# KiCad board Output-mixer.kicad_pcb
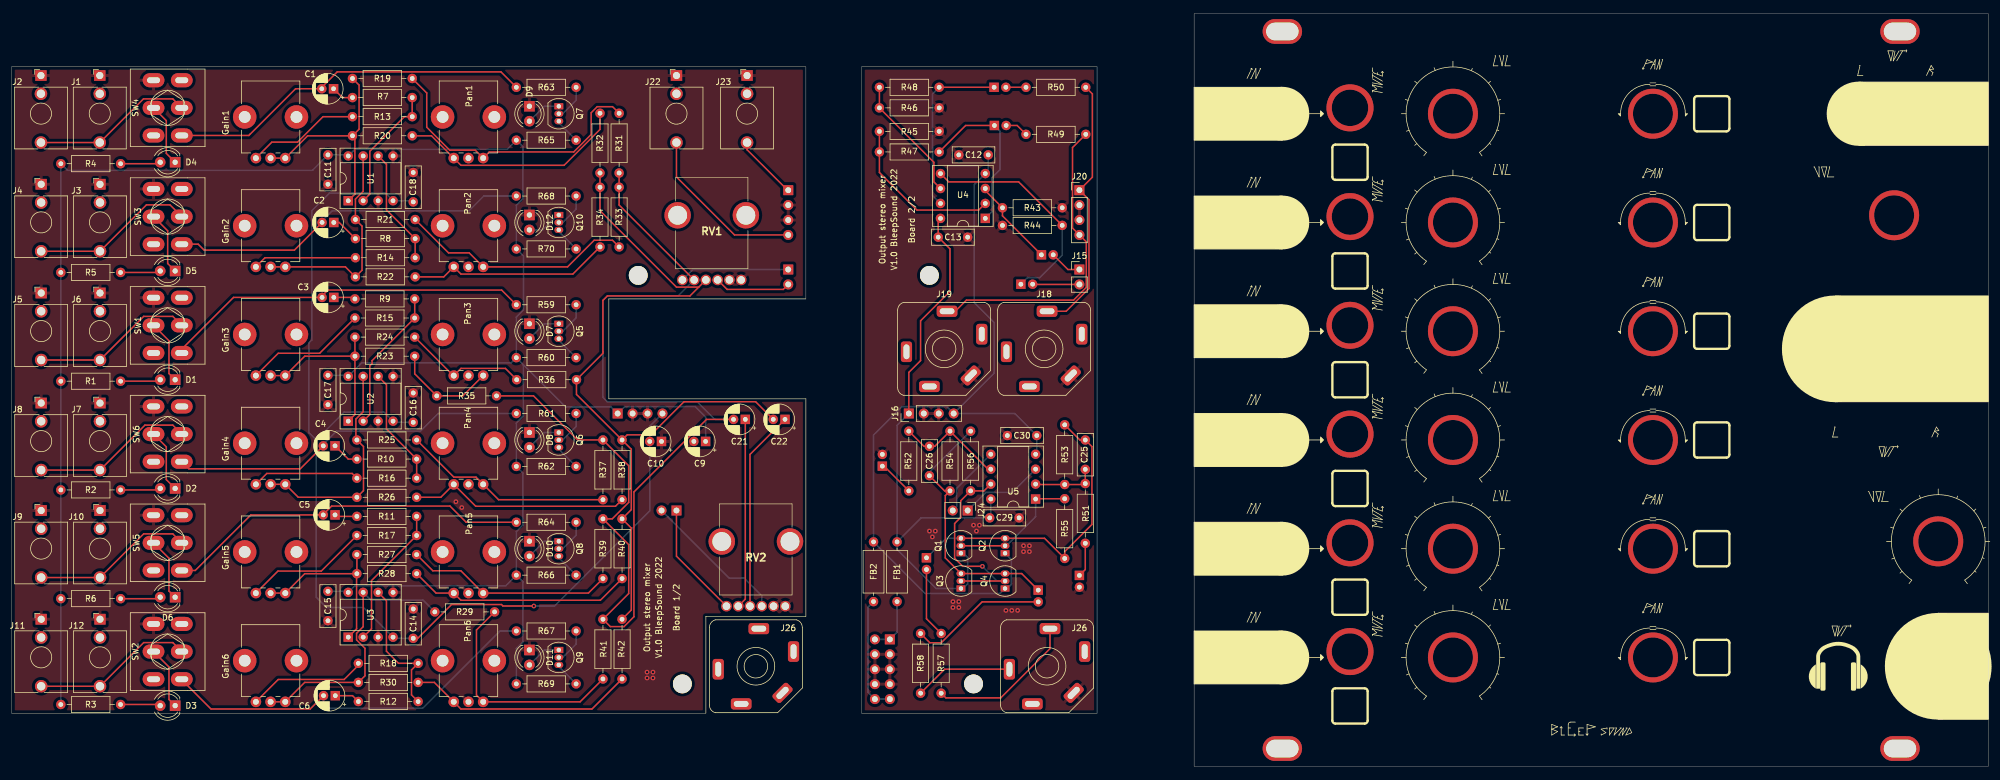
[diagram p0: board, top side]
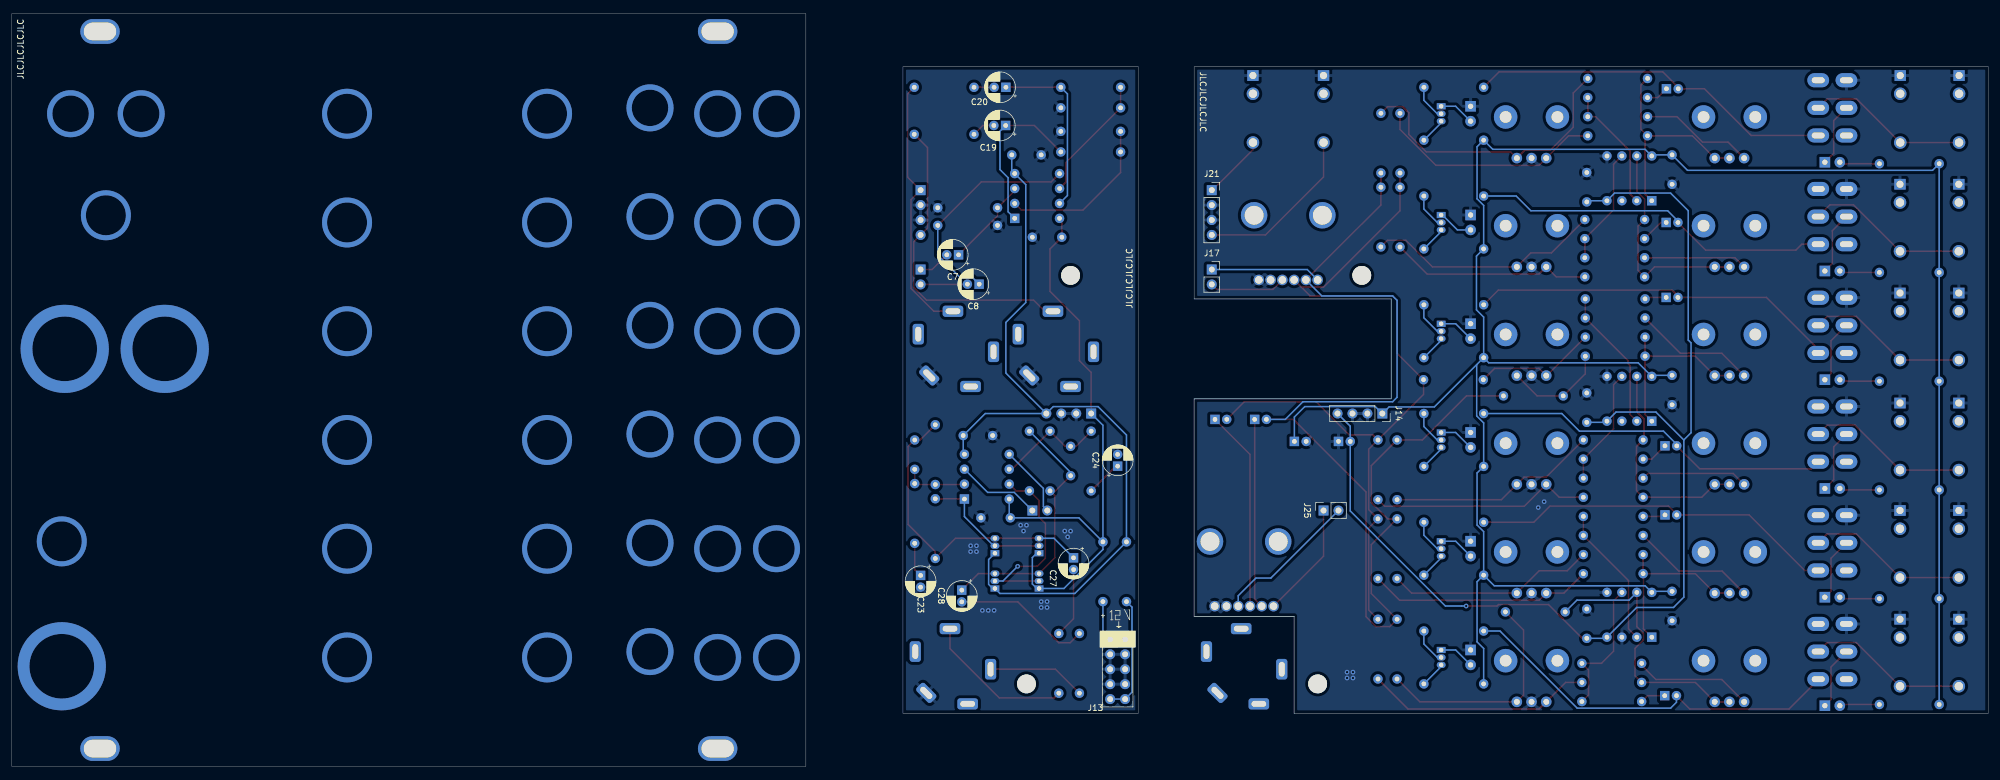
[diagram p1: board, bottom side, seen from below]

Outline 336 x 128 mm; copper layers: Top, Bottom. Coordinates in mm from the lower left corner of the outline.
Outline path: 0,119 0,9 118,9 118,25.5 135,25.5 135,62.5 101.5,62.5 101.5,79.5 135,79.5 135,119 0,119 ; 144.5,119 144.5,9 184.5,9 184.5,119 144.5,119 ; 201,128 201,0 336,0 336,128 201,128
Stack: Top 0.035mm / dielectric 1.51mm FR4 er 4.5 / Bottom 0.035mm

## Placement (name value [footprint] x y rotation side)
C1  .1µF  [CP_Radial_D5.0mm_P2.00mm]  54.71 115.25 180 top
C2  .1µF  [CP_Radial_D5.0mm_P2.00mm]  54.75 92.5 180 top
C3  .1µF  [CP_Radial_D5.0mm_P2.00mm]  54.75 79.75 180 top
C4  .1µF  [CP_Radial_D5.0mm_P2.00mm]  54.96 54.5 180 top
C5  .1µF  [CP_Radial_D5.0mm_P2.00mm]  54.96 42.75 180 top
C6  .1µF  [CP_Radial_D5.0mm_P2.00mm]  55 12 180 top
C7  10µF  [CP_Radial_D5.0mm_P2.00mm]  175.04 87 0 bottom
C8  10µF  [CP_Radial_D5.0mm_P2.00mm]  171.54 82 0 bottom
C9  10µ  [CP_Radial_D5.0mm_P2.00mm]  117.96 55.25 180 top
C10  10µ  [CP_Radial_D5.0mm_P2.00mm]  110.46 55.25 180 top
C11  100nF  [C_Disc_D7.0mm_W2.5mm_P5.00mm]  53.75 104 270 top
C12  100nF  [C_Disc_D7.0mm_W2.5mm_P5.00mm]  161 104 0 top
C13  100nF  [C_Disc_D7.0mm_W2.5mm_P5.00mm]  157.5 90 0 top
C14  100nF  [C_Disc_D7.0mm_W2.5mm_P5.00mm]  68.25 26.75 270 top
C15  100nF  [C_Disc_D7.0mm_W2.5mm_P5.00mm]  53.75 29.75 270 top
C16  100nF  [C_Disc_D7.0mm_W2.5mm_P5.00mm]  68.25 63.5 270 top
C17  100nF  [C_Disc_D7.0mm_W2.5mm_P5.00mm]  53.75 66.5 270 top
C18  100nF  [C_Disc_D7.0mm_W2.5mm_P5.00mm]  68.25 101 270 top
C19  10µF  [CP_Radial_D5.0mm_P2.00mm]  167.04 109 0 bottom
C20  10µF  [CP_Radial_D5.0mm_P2.00mm]  167 115.5 0 bottom
C21  1µF  [CP_Radial_D5.0mm_P2.00mm]  124.71 59 180 top
C22  1µF  [CP_Radial_D5.0mm_P2.00mm]  131.46 59 180 top
C23  10µF  [CP_Radial_D5.0mm_P2.00mm]  181.5 32.46 270 bottom
C24  10µF  [CP_Radial_D5.0mm_P2.00mm]  148 51.04 90 bottom
C25  470pF  [C_Disc_D7.0mm_W2.5mm_P5.00mm]  182.5 50.5 90 top
C26  470pF  [C_Disc_D7.0mm_W2.5mm_P5.00mm]  156 54.42 270 top
C27  10µF  [CP_Radial_D5.0mm_P2.00mm]  155.5 35.46 270 bottom
C28  10µF  [CP_Radial_D5.0mm_P2.00mm]  174.5 29.96 270 bottom
C29  100nF  [C_Disc_D7.0mm_W2.5mm_P5.00mm]  166.25 42.25 0 top
C30  100nF  [C_Disc_D7.0mm_W2.5mm_P5.00mm]  174.25 56.25 180 top
D1  LED-mute  [LED_D4.0mm]  27.77 65.75 180 top
D2  LED-mute  [LED_D4.0mm]  27.77 47.25 180 top
D3  LED-mute  [LED_D4.0mm]  27.77 10.3 180 top
D4  LED-mute  [LED_D4.0mm]  27.77 102.75 180 top
D5  LED-mute  [LED_D4.0mm]  27.77 84.25 180 top
D6  LED-mute  [LED_D4.0mm]  27.77 28.75 180 top
D7  Signal  [LED_D4.0mm]  88 75.28 270 top
D8  Signal  [LED_D4.0mm]  88 56.78 270 top
D9  Signal  [LED_D4.0mm]  88 112.27 270 top
D10  Signal  [LED_D4.0mm]  88 38.28 270 top
D11  Signal  [LED_D4.0mm]  88 19.78 270 top
D12  Signal  [LED_D4.0mm]  88 93.78 270 top
FB1  10R  [L_Axial_L7.0mm_D3.3mm_P10.16mm_Horizontal_Fastron_MICC]  150.5 38.16 270 top
FB2  10R  [L_Axial_L7.0mm_D3.3mm_P10.16mm_Horizontal_Fastron_MICC]  146.5 38.16 270 top
G***  -  [LOGO]  310.5 17 0 top
Gain1  500k  [Pot-bourns-alpha]  46.5 103.45 90 top
Gain2  500k  [Pot-bourns-alpha]  46.5 84.95 90 top
Gain3  500k  [Pot-bourns-alpha]  46.5 66.45 90 top
Gain4  500k  [Pot-bourns-alpha]  46.5 47.95 90 top
Gain5  500k  [Pot-bourns-alpha]  46.5 29.45 90 top
Gain6  500k  [Pot-bourns-alpha]  46.5 10.95 90 top
H1  MountingHole  [Doepfer Mounting hole]  216 3 0 top
H2  MountingHole  [Doepfer Mounting hole]  321 125 0 top
H3  MountingHole  [Doepfer Mounting hole]  216 125 0 top
H4  MountingHole  [Doepfer Mounting hole]  321 3 0 top
H5  SpacerHoles  [MountingHole_3.2mm_M3]  114 14 0 top
H6  SpacerHoles  [MountingHole_3.2mm_M3]  163.5 14 0 top
H7  SpacerHoles  [MountingHole_3.2mm_M3]  106.5 83.5 0 top
H8  SpacerHoles  [MountingHole_3.2mm_M3]  156 83.5 0 top
J1  In  [Thonkiconn]  14.96 117.5 0 top
J2  In  [Thonkiconn]  4.96 117.5 0 top
J3  In  [Thonkiconn]  15 99 0 top
J4  In  [Thonkiconn]  5 99 0 top
J5  In  [Thonkiconn]  5 80.5 0 top
J6  In  [Thonkiconn]  15 80.5 0 top
J7  In  [Thonkiconn]  15 61.78 0 top
J8  In  [Thonkiconn]  5 61.78 0 top
J9  In  [Thonkiconn]  5 43.5 0 top
J10  In  [Thonkiconn]  15 43.5 0 top
J11  In  [Thonkiconn]  5 25 0 top
J12  In  [Thonkiconn]  15 25 0 top
J13  Power Input  [PinHeader_2x05_P2.54mm_Vertical]  149.28 21.57 180 bottom
J14  Conn_01x04_Female  [PinSocket_1x04_P2.54mm_Vertical]  103 60 270 bottom
J15  Conn_01x02_Male  [PinHeader_1x02_P2.54mm_Vertical]  181.5 84.5 0 top
J16  Conn_01x04_Male  [PinHeader_1x04_P2.54mm_Vertical]  152.5 60 90 top
J17  Conn_01x02_Female  [PinSocket_1x02_P2.54mm_Vertical]  132 84.5 180 bottom
J18  OutR  [PJ-629HAN]  175.5 71 0 top
J19  OutL  [PJ-629HAN]  158.5 71 0 top
J20  Jack 3.5 Out  [PinHeader_1x04_P2.54mm_Vertical]  181.5 98 0 top
J21  Jack 3.5 Out  [PinSocket_1x04_P2.54mm_Vertical]  132 98 180 bottom
J22  OutL  [Thonkiconn]  113 117.5 0 top
J23  OutR  [Thonkiconn]  125 117.5 0 top
J24  Conn_01x02_Male  [PinHeader_1x02_P2.54mm_Vertical]  162.5 43.5 270 top
J25  Conn_01x02_Female  [PinSocket_1x02_P2.54mm_Vertical]  113 43.5 90 bottom
J26  OutHeadStereo  [PJ-629HAN]  126.5 17 0 top
J26#2  OutHeadStereo  [PJ-629HAN]  176 17 0 top
Pan1  50k  [Pot-bourns-alpha]  80.14 103.45 90 top
Pan2  50k  [Pot-bourns-alpha]  80.14 84.95 90 top
Pan3  50k  [Pot-bourns-alpha]  80.14 66.45 90 top
Pan4  50k  [Pot-bourns-alpha]  80.14 47.95 90 top
Pan5  50k  [Pot-bourns-alpha]  80.14 29.45 90 top
Pan6  50k  [Pot-bourns-alpha]  80.14 10.95 90 top
Q1  BC548  [TO-92_Inline]  161.36 36.23 90 top
Q2  BC558  [TO-92_Inline]  168.86 36.23 90 top
Q3  BC548  [TO-92_Inline]  161.36 30.23 90 top
Q4  BC558  [TO-92_Inline]  168.86 30.23 90 top
Q5  2N3904  [TO-92_Inline]  93 75.27 270 top
Q6  2N3904  [TO-92_Inline]  93 56.77 270 top
Q7  2N3904  [TO-92_Inline]  93 112.27 270 top
Q8  2N3904  [TO-92_Inline]  93 38.27 270 top
Q9  2N3904  [TO-92_Inline]  93 19.77 270 top
Q10  2N3904  [TO-92_Inline]  93 93.77 270 top
R1  2.2k  [R_Axial_DIN0207_L6.3mm_D2.5mm_P10.16mm_Horizontal]  8.34 65.5 0 top
R2  2.2k  [R_Axial_DIN0207_L6.3mm_D2.5mm_P10.16mm_Horizontal]  8.34 47 0 top
R3  2.2k  [R_Axial_DIN0207_L6.3mm_D2.5mm_P10.16mm_Horizontal]  8.34 10.5 0 top
R4  2.2k  [R_Axial_DIN0207_L6.3mm_D2.5mm_P10.16mm_Horizontal]  8.34 102.5 0 top
R5  2.2k  [R_Axial_DIN0207_L6.3mm_D2.5mm_P10.16mm_Horizontal]  8.34 84 0 top
R6  2.2k  [R_Axial_DIN0207_L6.3mm_D2.5mm_P10.16mm_Horizontal]  8.34 28.5 0 top
R7  100k  [R_Axial_DIN0207_L6.3mm_D2.5mm_P10.16mm_Horizontal]  68.08 113.75 180 top
R8  100k  [R_Axial_DIN0207_L6.3mm_D2.5mm_P10.16mm_Horizontal]  68.58 89.75 180 top
R9  100k  [R_Axial_DIN0207_L6.3mm_D2.5mm_P10.16mm_Horizontal]  68.5 79.5 180 top
R10  100k  [R_Axial_DIN0207_L6.3mm_D2.5mm_P10.16mm_Horizontal]  68.83 52.25 180 top
R11  100k  [R_Axial_DIN0207_L6.3mm_D2.5mm_P10.16mm_Horizontal]  68.83 42.5 180 top
R12  100k  [R_Axial_DIN0207_L6.3mm_D2.5mm_P10.16mm_Horizontal]  69.08 11 180 top
R13  10k  [R_Axial_DIN0207_L6.3mm_D2.5mm_P10.16mm_Horizontal]  57.92 110.5 0 top
R14  10k  [R_Axial_DIN0207_L6.3mm_D2.5mm_P10.16mm_Horizontal]  58.42 86.5 0 top
R15  10k  [R_Axial_DIN0207_L6.3mm_D2.5mm_P10.16mm_Horizontal]  58.34 76.25 0 top
R16  10k  [R_Axial_DIN0207_L6.3mm_D2.5mm_P10.16mm_Horizontal]  58.67 49 0 top
R17  10k  [R_Axial_DIN0207_L6.3mm_D2.5mm_P10.16mm_Horizontal]  58.67 39.25 0 top
R18  10k  [R_Axial_DIN0207_L6.3mm_D2.5mm_P10.16mm_Horizontal]  58.92 17.5 0 top
R19  2k2  [R_Axial_DIN0207_L6.3mm_D2.5mm_P10.16mm_Horizontal]  57.92 117 0 top
R20  2k2  [R_Axial_DIN0207_L6.3mm_D2.5mm_P10.16mm_Horizontal]  68.08 107.25 180 top
R21  2k2  [R_Axial_DIN0207_L6.3mm_D2.5mm_P10.16mm_Horizontal]  58.42 93 0 top
R22  2k2  [R_Axial_DIN0207_L6.3mm_D2.5mm_P10.16mm_Horizontal]  68.58 83.25 180 top
R23  2k2  [R_Axial_DIN0207_L6.3mm_D2.5mm_P10.16mm_Horizontal]  58.34 69.75 0 top
R24  2k2  [R_Axial_DIN0207_L6.3mm_D2.5mm_P10.16mm_Horizontal]  68.5 73 180 top
R25  2k2  [R_Axial_DIN0207_L6.3mm_D2.5mm_P10.16mm_Horizontal]  58.67 55.5 0 top
R26  2k2  [R_Axial_DIN0207_L6.3mm_D2.5mm_P10.16mm_Horizontal]  68.83 45.75 180 top
R27  2k2  [R_Axial_DIN0207_L6.3mm_D2.5mm_P10.16mm_Horizontal]  58.67 36 0 top
R28  2k2  [R_Axial_DIN0207_L6.3mm_D2.5mm_P10.16mm_Horizontal]  68.83 32.75 180 top
R29  2k2  [R_Axial_DIN0207_L6.3mm_D2.5mm_P10.16mm_Horizontal]  71.92 26.25 0 top
R30  2k2  [R_Axial_DIN0207_L6.3mm_D2.5mm_P10.16mm_Horizontal]  69.08 14.25 180 top
R31  47k  [R_Axial_DIN0207_L6.3mm_D2.5mm_P10.16mm_Horizontal]  103.25 111.08 270 top
R32  47k  [R_Axial_DIN0207_L6.3mm_D2.5mm_P10.16mm_Horizontal]  100 100.92 90 top
R33  47k  [R_Axial_DIN0207_L6.3mm_D2.5mm_P10.16mm_Horizontal]  103.25 88.34 90 top
R34  47k  [R_Axial_DIN0207_L6.3mm_D2.5mm_P10.16mm_Horizontal]  100 98.5 270 top
R35  47k  [R_Axial_DIN0207_L6.3mm_D2.5mm_P10.16mm_Horizontal]  72.25 63 0 top
R36  47k  [R_Axial_DIN0207_L6.3mm_D2.5mm_P10.16mm_Horizontal]  96 65.75 180 top
R37  47k  [R_Axial_DIN0207_L6.3mm_D2.5mm_P10.16mm_Horizontal]  100.5 45.34 90 top
R38  47k  [R_Axial_DIN0207_L6.3mm_D2.5mm_P10.16mm_Horizontal]  103.75 55.5 270 top
R39  47k  [R_Axial_DIN0207_L6.3mm_D2.5mm_P10.16mm_Horizontal]  100.5 31.92 90 top
R40  47k  [R_Axial_DIN0207_L6.3mm_D2.5mm_P10.16mm_Horizontal]  103.75 42.08 270 top
R41  47k  [R_Axial_DIN0207_L6.3mm_D2.5mm_P10.16mm_Horizontal]  100.5 14.84 90 top
R42  47k  [R_Axial_DIN0207_L6.3mm_D2.5mm_P10.16mm_Horizontal]  103.75 25 270 top
R43  100k  [R_Axial_DIN0207_L6.3mm_D2.5mm_P10.16mm_Horizontal]  178.58 95 180 top
R44  100k  [R_Axial_DIN0207_L6.3mm_D2.5mm_P10.16mm_Horizontal]  168.42 92 0 top
R45  100k  [R_Axial_DIN0207_L6.3mm_D2.5mm_P10.16mm_Horizontal]  157.66 108 180 top
R46  100k  [R_Axial_DIN0207_L6.3mm_D2.5mm_P10.16mm_Horizontal]  157.66 112 180 top
R47  100k  [R_Axial_DIN0207_L6.3mm_D2.5mm_P10.16mm_Horizontal]  157.66 104.5 180 top
R48  100k  [R_Axial_DIN0207_L6.3mm_D2.5mm_P10.16mm_Horizontal]  157.66 115.5 180 top
R49  470R  [R_Axial_DIN0207_L6.3mm_D2.5mm_P10.16mm_Horizontal]  182.58 107.5 180 top
R50  470R  [R_Axial_DIN0207_L6.3mm_D2.5mm_P10.16mm_Horizontal]  182.58 115.5 180 top
R51  1k  [R_Axial_DIN0207_L6.3mm_D2.5mm_P10.16mm_Horizontal]  182.5 37.92 90 top
R52  1k  [R_Axial_DIN0207_L6.3mm_D2.5mm_P10.16mm_Horizontal]  152.5 46.84 90 top
R53  10k  [R_Axial_DIN0207_L6.3mm_D2.5mm_P10.16mm_Horizontal]  179 47.92 90 top
R54  10k  [R_Axial_DIN0207_L6.3mm_D2.5mm_P10.16mm_Horizontal]  159.5 57 270 top
R55  560R  [R_Axial_DIN0207_L6.3mm_D2.5mm_P10.16mm_Horizontal]  179 45.5 270 top
R56  560R  [R_Axial_DIN0207_L6.3mm_D2.5mm_P10.16mm_Horizontal]  163 46.84 90 top
R57  47R  [R_Axial_DIN0207_L6.3mm_D2.5mm_P10.16mm_Horizontal]  158 12.42 90 top
R58  47R  [R_Axial_DIN0207_L6.3mm_D2.5mm_P10.16mm_Horizontal]  154.5 12.42 90 top
R59  100k  [R_Axial_DIN0207_L6.3mm_D2.5mm_P10.16mm_Horizontal]  85.78 78.5 0 top
R60  1k  [R_Axial_DIN0207_L6.3mm_D2.5mm_P10.16mm_Horizontal]  85.78 69.5 0 top
R61  100k  [R_Axial_DIN0207_L6.3mm_D2.5mm_P10.16mm_Horizontal]  85.78 60 0 top
R62  1k  [R_Axial_DIN0207_L6.3mm_D2.5mm_P10.16mm_Horizontal]  85.78 51 0 top
R63  100k  [R_Axial_DIN0207_L6.3mm_D2.5mm_P10.16mm_Horizontal]  85.78 115.5 0 top
R64  100k  [R_Axial_DIN0207_L6.3mm_D2.5mm_P10.16mm_Horizontal]  85.78 41.5 0 top
R65  1k  [R_Axial_DIN0207_L6.3mm_D2.5mm_P10.16mm_Horizontal]  85.78 106.5 0 top
R66  1k  [R_Axial_DIN0207_L6.3mm_D2.5mm_P10.16mm_Horizontal]  85.78 32.5 0 top
R67  100k  [R_Axial_DIN0207_L6.3mm_D2.5mm_P10.16mm_Horizontal]  85.78 23 0 top
R68  100k  [R_Axial_DIN0207_L6.3mm_D2.5mm_P10.16mm_Horizontal]  85.78 97 0 top
R69  1k  [R_Axial_DIN0207_L6.3mm_D2.5mm_P10.16mm_Horizontal]  85.78 14 0 top
R70  1k  [R_Axial_DIN0207_L6.3mm_D2.5mm_P10.16mm_Horizontal]  85.78 88 0 top
RV1  50k  [PTV1124420AA503]  116 82.72 0 top
RV2  50k  [PTV1124420AA503]  123.5 27.22 0 top
SW1  Mute  [SW_DPDT_Toggle]  26.5 75 90 top
SW2  Mute  [SW_DPDT_Toggle]  26.5 19.5 90 top
SW3  Mute  [SW_DPDT_Toggle]  26.5 93.5 90 top
SW4  Mute  [SW_DPDT_Toggle]  26.5 112 90 top
SW5  Mute  [SW_DPDT_Toggle]  26.5 38 90 top
SW6  Mute  [SW_DPDT_Toggle]  26.5 56.5 90 top
U1  TL072  [DIP-8_W7.62mm_Socket]  57.2 96.2 90 top
U2  TL072  [DIP-8_W7.62mm_Socket]  57.2 58.7 90 top
U3  TL072  [DIP-8_W7.62mm_Socket]  57.2 21.95 90 top
U4  TL072  [DIP-8_W7.62mm_Socket]  165.5 93.2 180 top
U5  TL072  [DIP-8_W7.62mm_Socket]  174.05 45.45 180 top

## Footprints (pads in the part's own frame, mm; a bottom-side part is the same pattern mirrored in y, then rotated)
C_Disc_D7.0mm_W2.5mm_P5.00mm
  round 1.6 hole 0.8: 1(0,0) 2(5,0)
CP_Radial_D5.0mm_P2.00mm
  rect 1.6x1.6 hole 0.8: 1(0,0)
  round 1.6 hole 0.8: 2(2,0)
DIP-8_W7.62mm_Socket
  rect 1.6x1.6 hole 0.8: 1(0,0)
  oval 1.6x1.6 hole 0.8: 2(0,-2.54) 3(0,-5.08) 4(0,-7.62) 5(7.62,-7.62) 6(7.62,-5.08) 7(7.62,-2.54) 8(7.62,0)
Doepfer Mounting hole
  oval 6.7x4.2 hole 5.5x3: 1(0,0)
L_Axial_L7.0mm_D3.3mm_P10.16mm_Horizontal_Fastron_MICC
  round 1.6 hole 0.8: 1(0,0)
  oval 1.6x1.6 hole 0.8: 2(10.16,0)
LED_D4.0mm
  rect 1.8x1.8 hole 0.9: 1(0,0)
  round 1.8 hole 0.9: 2(2.54,0)
MountingHole_3.2mm_M3
  round 3.2 hole 3.2 unplated: (0,0)
PinHeader_1x02_P2.54mm_Vertical
  rect 1.7x1.7 hole 1: 1(0,0)
  oval 1.7x1.7 hole 1: 2(0,-2.54)
PinHeader_1x04_P2.54mm_Vertical
  rect 1.7x1.7 hole 1: 1(0,0)
  oval 1.7x1.7 hole 1: 2(0,-2.54) 3(0,-5.08) 4(0,-7.62)
PinHeader_2x05_P2.54mm_Vertical
  rect 1.7x1.7 hole 1: 1(0,0)
  oval 1.7x1.7 hole 1: 2(2.54,0) 3(0,-2.54) 4(2.54,-2.54) 5(0,-5.08) 6(2.54,-5.08) 7(0,-7.62) 8(2.54,-7.62) 9(0,-10.16) 10(2.54,-10.16)
PinSocket_1x02_P2.54mm_Vertical
  rect 1.7x1.7 hole 1: 1(0,0)
  oval 1.7x1.7 hole 1: 2(0,-2.54)
PinSocket_1x04_P2.54mm_Vertical
  rect 1.7x1.7 hole 1: 1(0,0)
  oval 1.7x1.7 hole 1: 2(0,-2.54) 3(0,-5.08) 4(0,-7.62)
PJ-629HAN
  rrect 1.9x3.5 hole 1x2.5: R(-6.4,-0.5) TN(6.4,2.5)
  rrect 3.5x1.9 hole 2.5x1: RN(-2.5,-6.4) T(0.5,6.4)
  rrect 3.5x1.9 hole 2.5x1 rot 45: S(4.53,-4.53)
Pot-bourns-alpha
  round 4 hole 2 unplated: (7,6.9) (7,-1.9)
  round 1.8 hole 1: 1(0,0) 2(0,2.5) 3(0,5)
PTV1124420AA503
  round 1.8 hole 1.3: 1(0,0) 2(-2,0) 3(8,0) 4(2,0) 5(4,0) 6(6,0)
  round 4.5 hole 3.202: MH1(-2.8,11) MH2(8.8,11)
R_Axial_DIN0207_L6.3mm_D2.5mm_P10.16mm_Horizontal
  round 1.6 hole 0.8: 1(0,0)
  oval 1.6x1.6 hole 0.8: 2(10.16,0)
SW_DPDT_Toggle
  oval 2.4x3.7 hole 1x2.2: 1(4.7,2.4) 2(0,2.4) 3(-4.7,2.4) 4(4.7,-2.4) 5(0,-2.4) 6(-4.7,-2.4)
Thonkiconn
  rect 1.93x1.83 hole 1.22: S(0,0)
  round 2.13 hole 1.43: T(0,-11.4)
  round 2.13 hole 1.42: TN(0,-3.1)
TO-92_Inline
  rect 1.05x1.5 hole 0.75: 1(0,0)
  oval 1.05x1.5 hole 0.75: 2(1.27,0) 3(2.54,0)

## Nets
+12V: C9.1 C11.1 C13.1 C15.1 C17.1 C29.1 FB1.1 J14.1 J16.1 Q1.1 Q3.1 R1.1 R2.1 R3.1 R4.1 R5.1 R6.1 R60.1 R62.1 R65.1 R66.1 R69.1 R70.1 U1.8 U2.8 U3.8 U4.8 U5.8
-12V: C10.2 C12.2 C14.2 C16.2 C18.2 C30.1 FB2.1 J14.4 J16.4 Q2.1 Q4.1 U1.4 U2.4 U3.4 U4.4 U5.4
GND: C9.2 C10.1 C11.2 C12.1 C13.2 C14.1 C15.2 C16.1 C17.2 C18.1 C23.2 C24.2 C29.2 C30.2 D7.1 D8.1 D9.1 D10.1 D11.1 D12.1 J1.S J2.S J3.S J4.S J5.S J6.S J7.S J8.S J9.S J10.S J11.S J12.S J13.3 J13.4 J13.5 J13.6 J13.7 J13.8 J14.2 J14.3 J16.2 J16.3 J18.S J19.S J20.2 J20.3 J21.2 J21.3 J22.S J23.S J26#2.S Pan1.2 Pan2.2 Pan3.2 Pan4.2 Pan5.2 Pan6.2 R43.1 R44.1 R45.1 R46.1 RV1.3 RV1.6 RV2.3 RV2.6 SW1.1 SW2.1 SW3.1 SW4.1 SW5.1 SW6.1 U1.3 U1.5 U2.3 U2.5 U3.3 U3.5
/AmpL: C7.2 J15.1 J17.1 RV1.2
/AmpR: C8.2 J15.2 J17.2 RV1.5
/Headphones Amp/Head-L: J26#2.T R57.1
/Headphones Amp/Head-R: J26#2.R R58.1
/Headphones Amp/HeadAmpL: J24.1 J25.1 RV2.2 U5.3
/Headphones Amp/HeadAmpR: J24.2 J25.2 RV2.5 U5.5
/OutL: J19.T J20.4 J21.4 J22.T R49.1
/OutR: J18.T J20.1 J21.1 J23.T R50.1
In1: C1.2 R63.1 SW4.6
In2: C2.2 R68.1 SW3.6
In3: C3.2 R59.1 SW1.6
In4: C4.2 R61.1 SW6.6
In5: C5.2 R64.1 SW5.6
In6: C6.2 R67.1 SW2.6
L: C21.2 R31.2 R33.2 R35.2 R37.2 R39.2 R41.2 RV1.1
R: C22.2 R32.1 R34.1 R36.1 R38.1 R40.1 R42.1 RV1.4
Net-(C1-Pad1): C1.1 R7.2
Net-(C2-Pad1): C2.1 R8.2
Net-(C3-Pad1): C3.1 R9.2
Net-(C4-Pad1): C4.1 R10.2
Net-(C5-Pad1): C5.1 R11.2
Net-(C6-Pad1): C6.1 R12.2
Net-(C7-Pad1): C7.1 R43.2 U4.3
Net-(C8-Pad1): C8.1 R44.2 U4.5
Net-(C19-Pad1): C19.1 R47.1 U4.1
Net-(C19-Pad2): C19.2 R49.2
Net-(C20-Pad1): C20.1 R48.1 U4.7
Net-(C20-Pad2): C20.2 R50.2
Net-(C21-Pad1): C21.1 RV2.1
Net-(C22-Pad1): C22.1 RV2.4
Net-(C23-Pad1): C23.1 R51.1
Net-(C24-Pad1): C24.1 R52.1
Net-(C25-Pad1): C25.1 R51.2 R53.1 U5.2
Net-(C25-Pad2): C25.2 C27.1 Q1.3 Q2.3 R53.2 R55.2
Net-(C26-Pad1): C26.1 R52.2 R54.1 U5.6
Net-(C26-Pad2): C26.2 C28.1 Q3.3 Q4.3 R54.2 R56.2
Net-(C27-Pad2): C27.2 R57.2
Net-(C28-Pad2): C28.2 R58.2
Net-(D1-Pad1): D1.1 SW1.2
Net-(D1-Pad2): D1.2 R1.2
Net-(D2-Pad1): D2.1 SW6.2
Net-(D2-Pad2): D2.2 R2.2
Net-(D3-Pad1): D3.1 SW2.2
Net-(D3-Pad2): D3.2 R3.2
Net-(D4-Pad1): D4.1 SW4.2
Net-(D4-Pad2): D4.2 R4.2
Net-(D5-Pad1): D5.1 SW3.2
Net-(D5-Pad2): D5.2 R5.2
Net-(D6-Pad1): D6.1 SW5.2
Net-(D6-Pad2): D6.2 R6.2
Net-(D7-Pad2): D7.2 Q5.1
Net-(D8-Pad2): D8.2 Q6.1
Net-(D9-Pad2): D9.2 Q7.1
Net-(D10-Pad2): D10.2 Q8.1
Net-(D11-Pad2): D11.2 Q9.1
Net-(D12-Pad2): D12.2 Q10.1
Net-(FB1-Pad2): FB1.2 J13.1 J13.2
Net-(FB2-Pad2): FB2.2 J13.9 J13.10
Net-(Gain1-Pad1): Gain1.1 Gain1.2 R19.1 R20.2 U1.1
Net-(Gain1-Pad3): Gain1.3 R13.1
Net-(Gain2-Pad1): Gain2.1 Gain2.2 R21.1 R22.2 U1.7
Net-(Gain2-Pad3): Gain2.3 R14.1
Net-(Gain3-Pad1): Gain3.1 Gain3.2 R23.1 R24.2 U2.1
Net-(Gain3-Pad3): Gain3.3 R15.1
Net-(Gain4-Pad1): Gain4.1 Gain4.2 R25.1 R26.2 U2.7
Net-(Gain4-Pad3): Gain4.3 R16.1
Net-(Gain5-Pad1): Gain5.1 Gain5.2 R27.1 R28.2 U3.1
Net-(Gain5-Pad3): Gain5.3 R17.1
Net-(Gain6-Pad1): Gain6.1 Gain6.2 R29.1 R30.2 U3.7
Net-(Gain6-Pad3): Gain6.3 R18.1
Net-(J1-PadT): J1.T J2.T SW4.5
Net-(J3-PadT): J3.T J4.T SW3.5
Net-(J5-PadT): J5.T J6.T SW1.5
Net-(J7-PadT): J7.T J8.T SW6.5
Net-(J10-PadT): J9.T J10.T SW5.5
Net-(J11-PadT): J11.T J12.T SW2.5
Net-(Pan1-Pad1): Pan1.1 R19.2 R31.1
Net-(Pan1-Pad3): Pan1.3 R20.1 R32.2
Net-(Pan2-Pad1): Pan2.1 R21.2 R33.1
Net-(Pan2-Pad3): Pan2.3 R22.1 R34.2
Net-(Pan3-Pad1): Pan3.1 R23.2 R35.1
Net-(Pan3-Pad3): Pan3.3 R24.1 R36.2
Net-(Pan4-Pad1): Pan4.1 R25.2 R37.1
Net-(Pan4-Pad3): Pan4.3 R26.1 R38.2
Net-(Pan5-Pad1): Pan5.1 R27.2 R39.1
Net-(Pan5-Pad3): Pan5.3 R28.1 R40.2
Net-(Pan6-Pad1): Pan6.1 R29.2 R41.1
Net-(Pan6-Pad3): Pan6.3 R30.1 R42.2
Net-(Q1-Pad2): Q1.2 Q2.2 R55.1 U5.1
Net-(Q3-Pad2): Q3.2 Q4.2 R56.1 U5.7
Net-(Q5-Pad2): Q5.2 R59.2
Net-(Q5-Pad3): Q5.3 R60.2
Net-(Q6-Pad2): Q6.2 R61.2
Net-(Q6-Pad3): Q6.3 R62.2
Net-(Q7-Pad2): Q7.2 R63.2
Net-(Q7-Pad3): Q7.3 R65.2
Net-(Q8-Pad2): Q8.2 R64.2
Net-(Q8-Pad3): Q8.3 R66.2
Net-(Q9-Pad2): Q9.2 R67.2
Net-(Q9-Pad3): Q9.3 R69.2
Net-(Q10-Pad2): Q10.2 R68.2
Net-(Q10-Pad3): Q10.3 R70.2
Net-(R10-Pad1): R10.1 R16.2 U2.6
Net-(R11-Pad1): R11.1 R17.2 U3.2
Net-(R12-Pad1): R12.1 R18.2 U3.6
Net-(R13-Pad2): R7.1 R13.2 U1.2
Net-(R14-Pad2): R8.1 R14.2 U1.6
Net-(R15-Pad2): R9.1 R15.2 U2.2
Net-(R45-Pad2): R45.2 R47.2 U4.2
Net-(R46-Pad2): R46.2 R48.2 U4.6

Pads without a net: H1 1; H2 1; H3 1; H4 1; J1 TN; J2 TN; J3 TN; J4 TN; J5 TN; J6 TN; J7 TN; J8 TN; J9 TN; J10 TN; J11 TN; J12 TN; J18 R RN TN; J19 R RN TN; J22 TN; J23 TN; J26 R RN S T TN; J26#2 RN TN; RV1 MH1 MH2; RV2 MH1 MH2; SW1 3 4; SW2 3 4; SW3 3 4; SW4 3 4; SW5 3 4; SW6 3 4

## Via types
v1: diameter 8.5, hole 6.8, Top to Bottom, 14 vias
v2: diameter 8, hole 6.2, Top to Bottom, 20 vias
v3: diameter 15, hole 11, Top to Bottom, 3 vias
v4: diameter 0.8, hole 0.4, Top to Bottom, 25 vias

## Routing (per net, layer and track width the routed paths; a pad name or vN(x,y) marks a point on that pad's centre or on a via; arc(x,y) is an arc through that point)
+12V: length 478.8
  Top w0.25: J16.1 152.5,67 154.5,69 154.5,75.78 159.5,80.78 159.5,88 C13.1 157.5,92.82 U4.8
  Bottom w0.25: FB1.1 150.5,36.86 157.13,30.23 Q3.1 161.73,30.23 162.5,31 162.5,35.5 161.77,36.23 Q1.1 ; FB1.1 154.59,42.25 C29.1 166.43,42.43 U5.8 ; FB1.1 150.5,58 J16.1 ; R3.1 R6.1 R2.1 R1.1 R5.1 R4.1 9.46,101.38 51.13,101.38 C11.1 57.02,104 U1.8 58.32,104.94 84.22,104.94 R65.1 86.9,105.38 86.9,96.53 85.78,95.41 R70.1 87,86.78 87,77.63 85.78,76.41 R60.1 ; R60.1 84.91,68.63 59.51,68.63 U2.8 57.02,66.5 C17.1 ; R60.1 86.96,68.32 ; R69.1 85.78,20.03 86.9,21.15 86.9,31.38 R66.1 ; 86.96,68.32 94.16,61.12 101.85,61.12 103,59.97 104.2,61.17 116.19,61.17 117.96,59.41 C9.1 ; 86.96,68.32 86.96,59.59 85.78,58.41 R62.1 86.9,49.88 86.9,41.03 85.78,39.91 R66.1 ; C15.1 57.02,29.75 U3.8 58.32,30.69 83.97,30.69 R66.1
-12V: length 326.9
  Top w0.25: v4(88.75,27.25) 83.5,27.25 83.25,27.5 74.76,27.5 69.01,21.75 C14.2
  Bottom w0.25: C18.2 68.05,96.2 U1.4 63.52,97.5 54,97.5 51,94.5 51,72.5 50.53,72.03 50.53,56.72 51.75,55.5 ; Q2.1 169.93,35.16 169.93,30.93 169.23,30.23 Q4.1 168.01,29.38 155.28,29.38 FB2.1 146.5,56.35 151.33,61.17 158.95,61.17 J16.4 ; C12.2 166,101.32 U4.4 163.63,98.95 163.63,78.87 167,75.5 167,66.88 J16.4 ; J14.4 108.46,57.84 C10.2 108.46,43.42 92.28,27.25 v4(88.75,27.25) ; C14.2 65.02,21.75 U3.4 59.77,27 53.5,27 51.75,28.75 51.75,55.5 ; C16.2 65.02,58.5 U2.4 63.27,60.25 56.5,60.25 51.75,55.5 ; J16.4 170.5,60 C30.1 174.25,53.27 U5.4
GND:
  vias: v4(75.5,45) v4(76.5,44) v4(108,16) v4(108,15) v4(109,16) v4(109,15) v4(156,40) v4(156.5,39) v4(157,40) v4(160,28) v4(160,27) v4(161,28) v4(161,27) v4(163.5,41) v4(164,40) v4(164.5,41) v4(169,26.5) v4(170,26.5) v4(171,26.5) v4(172,37.5) v4(172,36.5) v4(173,37.5) v4(173,36.5)
(no net):
  vias: v1(245,111) v1(245,92.5) v1(245,74) v1(245,55.5) v1(245,37) v1(245,18.5) v1(279,111) v1(279,92.5) v1(279,74) v1(279,55.5) v1(279,37) v1(279,18.5) v1(320,93.72) v1(327.5,38.25) v2(206,111) v2(206,92.5) v2(206,74) v2(206,55.5) v2(206,37) v2(206,18.5) v2(216,111) v2(216,92.5) v2(216,74) v2(216,55.5) v2(216,37) v2(216,18.5) v2(227.5,112) v2(227.5,93.5) v2(227.5,75) v2(227.5,56.5) v2(227.5,38) v2(227.5,19.5) v2(314,111) v2(326,111) v3(310,71) v3(327,71) v3(327.5,17)
/AmpL: length 24.2
  Top w0.25: J15.1 179.54,84.5 C7.2
  Bottom w0.25: RV1.2 115.78,84.5 J17.1
/AmpR: length 21
  Top w0.25: RV1.5 121.62,81.11 131.15,81.11 J17.2 ; C8.2 173.58,81.96 J15.2
/Headphones Amp/Head-L: length 25.7
  Top w0.25: R57.1 158.8,11.62 168.12,11.62 176.5,20 J26#2.T
/Headphones Amp/Head-R: length 16.8
  Top w0.25: J26#2.R 158.58,16.5 R58.1
/Headphones Amp/HeadAmpL: length 34.3
  Top w0.25: J25.1 113,35.72 RV2.2
  Bottom w0.25: J24.1 165.57,46.57 170.09,46.57 U5.3
/Headphones Amp/HeadAmpR: length 37.1
  Bottom w0.25: U5.5 160.62,47.26 160.62,44.16 J24.2 ; J25.2 121.96,32 124.5,32 127.5,29 RV2.5
/OutL: length 82.2
  Top w0.25: J21.4 122.87,90.38 113,100.25 J22.T ; J19.T 160.4,77.4 162.29,79.29 180.5,79.29 182.67,81.46 182.67,89.21 J20.4 180.33,91.55 180.33,105.25 R49.1
/OutR: length 56.1
  Top w0.25: J21.1 131.88,98 125,104.88 J23.T ; J18.T 179.25,77.4 183.12,81.27 183.12,96.38 J20.1 183.7,100.2 183.7,114.38 R50.1
In1: length 62.6
  Top w0.25: SW4.6 40.3,107.3 48.25,115.25 C1.2 52.71,115.5 55.33,118.12 83.16,118.12 R63.1
In2: length 61.3
  Top w0.25: SW3.6 31.7,88.8 32.7,87.8 48.05,87.8 C2.2
  Bottom w0.25: R68.1 80.25,97 77.75,94.5 54.5,94.5 52.75,92.75 C2.2
In3: length 62.9
  Top w0.25: R59.1 83.28,81 53.75,81 52.75,80 C3.2 37.7,79.75 28.9,70.95 SW1.6
In4: length 61.4
  Top w0.25: SW6.6 30.1,50.6 49.06,50.6 C4.2
  Bottom w0.25: R61.1 72.5,60 69.5,57 55.21,57 52.96,54.75 C4.2
In5: length 62.6
  Top w0.25: R64.1 77.25,41.5 74.5,44.25 54.38,44.25 52.96,42.83 C5.2 40.65,42.75 31.2,33.3 SW5.6
In6: length 67
  Top w0.25: C6.2 50.73,9.73 33.87,9.73 28.9,14.7 SW2.6
  Bottom w0.25: R67.1 83,23 69.88,9.88 53.99,9.88 53,10.87 C6.2
L: length 190.3
  Top w0.25: R35.2 88.69,63 96.19,55.5 R37.2 104.87,51.13 104.87,44.87 102.08,42.08 R39.2 104.87,37.71 104.87,29.37 R41.2 101.75,23.75 104.09,23.75 105.77,25.43 105.77,46.66 118.11,59 C21.2 ; R31.2 R33.2 103.25,95.47 RV1.1
  Bottom w0.25: C21.2 119.5,59 116.5,62 101.25,62 100.5,62.75 100.5,79.25 101.25,80 113.28,80 RV1.1
R: length 139.1
  Top w0.25: R32.1 R34.1 100,94.5 113,81.5 116.78,81.5 ; R38.1 96,63.25 R36.1 100.5,70.25 100.5,79.25 101.25,80 115.28,80 116.78,81.5 ; R38.1 105.32,53.93 105.32,43.65 R40.1 105.32,40.51 105.32,26.57 R42.1 ; R38.1 104.62,56.37 108.66,56.37 114.28,62 126.46,62 C22.2 ; 116.78,81.5 RV1.4
Net-(C1-Pad1): length 3.8
  Top w0.25: C1.1 56.21,113.75 R7.2
Net-(C2-Pad1): length 4.8
  Top w0.25: C2.1 55.67,92.5 R8.2
Net-(C3-Pad1): length 3.7
  Top w0.25: R9.2 58.09,79.75 C3.1
Net-(C4-Pad1): length 4.6
  Top w0.25: R10.2 57.21,52.25 C4.1
Net-(C5-Pad1): length 3.8
  Top w0.25: C5.1 55.21,42.5 R11.2
Net-(C6-Pad1): length 4.3
  Top w0.25: C6.1 57.92,12 R12.2
Net-(C7-Pad1): length 15.2
  Top w0.25: C7.1 168.42,93.62 R43.2 165.5,97.92 U4.3
Net-(C8-Pad1): length 38.5
  Top w0.25: U4.5 159.3,99.4 171.18,99.4 R44.2
  Bottom w0.25: R44.2 178.58,86.94 174.76,83.12 172.67,83.12 C8.1
Net-(C19-Pad1): length 28.5
  Top w0.25: C19.1 162.16,109 R47.1
  Bottom w0.25: U4.1 166.62,94.32 166.62,100.12 168,101.5 168,108.04 C19.1
Net-(C19-Pad2): length 4
  Top w0.25: R49.2 170.92,109 C19.2
Net-(C20-Pad1): length 30.1
  Top w0.25: C20.1 R48.1
  Bottom w0.25: R48.1 156.54,114.38 156.54,97.08 U4.7
Net-(C20-Pad2): length 3.4
  Top w0.25: C20.2 R50.2
Net-(C21-Pad1): length 32.3
  Top w0.25: C21.1 124.71,28.43 RV2.1
Net-(C22-Pad1): length 34.2
  Top w0.25: RV2.4 125.5,53.04 C22.1
Net-(C23-Pad1): length 5.9
  Top w0.25: R51.1 182.5,33.46 C23.1
Net-(C24-Pad1): length 6.2
  Top w0.25: C24.1 148.3,51.04 R52.1
Net-(C25-Pad1): length 11
  Top w0.25: U5.2 174.12,47.92 R53.1 182.34,47.92 R51.2 C25.1
Net-(C25-Pad2): length 53.4
  Top w0.25: Q1.3 Q2.3 175.57,38.77 R55.2 179,36.5 183.62,41.12 183.62,54.38 C25.2 181.58,55.5 R53.2
  Bottom w0.25: C27.1 158.81,38.77 Q1.3
Net-(C26-Pad1): length 18.7
  Top w0.25: U5.6 165.97,50.53 R54.1 156.92,54.42 C26.1 155.08,54.42 R52.2
Net-(C26-Pad2): length 44.9
  Top w0.25: C28.1 171.69,32.77 Q4.3 Q3.3 158.7,35.43 158.7,46.04 R54.2 158.58,46.84 C26.2
  Bottom w0.25: R56.2 156,50 C26.2
Net-(C27-Pad2): length 11.9
  Top w0.25: C27.2 155.5,25.08 R57.2
Net-(C28-Pad2): length 23.5
  Top w0.25: R58.2 156.08,21 158.01,21 164.97,27.96 C28.2
Net-(D1-Pad1): length 10.8
  Top w0.25: SW1.2 26.73,72.37 26.73,66.8 D1.1
Net-(D1-Pad2): length 6.8
  Top w0.25: D1.2 24.98,65.5 R1.2
Net-(D2-Pad1): length 10.8
  Top w0.25: D2.1 26.27,48.75 26.27,54.33 SW6.2
Net-(D2-Pad2): length 6.8
  Top w0.25: R2.2 24.98,47 D2.2
Net-(D3-Pad1): length 10.7
  Top w0.25: D3.1 26.73,11.35 26.73,16.87 SW2.2
Net-(D3-Pad2): length 6.8
  Top w0.25: D3.2 25.03,10.5 R3.2
Net-(D4-Pad1): length 10.8
  Top w0.25: SW4.2 26.27,109.83 26.27,104.25 D4.1
Net-(D4-Pad2): length 6.8
  Top w0.25: R4.2 24.98,102.5 D4.2
Net-(D5-Pad1): length 10.8
  Top w0.25: D5.1 26.5,85.53 26.5,91.1 SW3.2
Net-(D5-Pad2): length 6.8
  Top w0.25: R5.2 24.98,84 D5.2
Net-(D6-Pad1): length 10.8
  Top w0.25: D6.1 26.73,29.8 26.73,35.37 SW5.2
Net-(D6-Pad2): length 6.8
  Top w0.25: R6.2 24.98,28.5 D6.2
Net-(D7-Pad2): length 6.1
  Bottom w0.25: Q5.1 90.53,75.27 D7.2
Net-(D8-Pad2): length 6.1
  Bottom w0.25: Q6.1 90.53,56.77 D8.2
Net-(D9-Pad2): length 6.1
  Bottom w0.25: Q7.1 90.54,112.27 D9.2
Net-(D10-Pad2): length 6.1
  Bottom w0.25: Q8.1 90.53,38.27 D10.2
Net-(D11-Pad2): length 6.1
  Bottom w0.25: Q9.1 90.53,19.77 D11.2
Net-(D12-Pad2): length 6.1
  Bottom w0.25: Q10.1 92.78,93.77 90.24,91.23 D12.2
Net-(FB1-Pad2): length 9.5
  Bottom w0.25: J13.2 J13.1 150.5,22.8 FB1.2
Net-(FB2-Pad2): length 20
  Bottom w0.25: FB2.2 145.56,27.06 145.56,12.59 J13.10 J13.9
Net-(Gain1-Pad1): length 37.9
  Top w0.25: R19.1 59.04,115.88 59.04,108.37 R20.2 ; R20.2 50.3,107.25 Gain1.1 Gain1.2 ; R20.2 58.32,106.85 58.32,97.32 U1.1
Net-(Gain1-Pad3): length 19.3
  Top w0.25: R13.1 52.91,110.5 48.58,106.17 44.22,106.17 Gain1.3
Net-(Gain2-Pad1): length 37.2
  Top w0.25: U1.7 59.74,97.79 58.42,96.47 R21.1 59.54,91.88 59.54,84.37 R22.2 56.72,84.95 Gain2.1 Gain2.2
Net-(Gain2-Pad3): length 17.6
  Top w0.25: R14.1 43.05,86.5 Gain2.3
Net-(Gain3-Pad1): length 30.5
  Top w0.25: R24.2 R23.1 ; R23.1 49.8,69.75 Gain3.1 Gain3.2 ; R23.1 58.34,59.84 U2.1
Net-(Gain3-Pad3): length 20.9
  Top w0.25: R15.1 52.34,70.25 45.3,70.25 Gain3.3
Net-(Gain4-Pad1): length 37.7
  Top w0.25: U2.7 59.74,60.29 58.5,59.05 58.5,55.67 R25.1 59.79,54.38 59.79,46.87 R26.2 48.7,45.75 Gain4.1 Gain4.2
Net-(Gain4-Pad3): length 18.3
  Top w0.25: R16.1 57.87,49.8 43.35,49.8 Gain4.3
Net-(Gain5-Pad1): length 30.7
  Top w0.25: Gain5.2 Gain5.1 49.8,32.75 R28.2 ; R28.2 58.62,32.7 58.62,23.37 U3.1 ; R28.2 R27.1
Net-(Gain5-Pad3): length 21.2
  Top w0.25: R17.1 52.62,33.2 45.25,33.2 Gain5.3
Net-(Gain6-Pad1): length 46.7
  Top w0.25: Gain6.2 Gain6.1 49.8,14.25 R30.2 60.04,15.37 60.04,20.06 58.62,21.48 58.62,22.62 59.74,23.74 U3.7
  Bottom w0.25: U3.7 61.06,28.25 69.92,28.25 R29.1
Net-(Gain6-Pad3): length 20.3
  Top w0.25: Gain6.3 45.3,14.75 56.5,14.75 58.92,17.17 R18.1
Net-(J1-PadT): length 27.6
  Top w0.25: J2.T J1.T 22.38,113.52 27.38,113.52 SW4.5
Net-(J3-PadT): length 28
  Top w0.25: J4.T J3.T 22.9,95.5 26.9,95.5 SW3.5
Net-(J5-PadT): length 27.6
  Top w0.25: SW1.5 27.38,76.52 22.42,76.52 J6.T J5.T
Net-(J7-PadT): length 27.7
  Top w0.25: SW6.5 27.38,58.02 22.64,58.02 J7.T J8.T
Net-(J10-PadT): length 27.6
  Top w0.25: J9.T J10.T 22.42,39.52 27.38,39.52 SW5.5
Net-(J11-PadT): length 27.6
  Top w0.25: J11.T J12.T 22.42,21.02 27.38,21.02 SW2.5
Net-(Pan1-Pad1): length 50.5
  Top w0.25: R19.2 70.54,114.54 70.54,108.71 74.45,104.8 78.8,104.8 Pan1.1 81.19,104.5 95.53,104.5 98.5,107.47 98.5,111.17 99.53,112.2 102.13,112.2 R31.1
Net-(Pan1-Pad3): length 39.3
  Top w0.25: R32.2 100,108.33 93.89,102.23 76.36,102.23 Pan1.3 71.34,107.25 R20.1
Net-(Pan2-Pad1): length 40.3
  Top w0.25: R21.2 74.25,87.33 77.76,87.33 Pan2.1 94.48,84.95 99,89.47 102.12,89.47 R33.1
Net-(Pan2-Pad3): length 34.5
  Top w0.25: R22.1 73.44,83.25 Pan2.3 76.36,83.73 95.39,83.73 R34.2
Net-(Pan3-Pad1): length 17.6
  Top w0.25: R23.2 68.5,66.75 R35.1 76.69,63 Pan3.1
Net-(Pan3-Pad3): length 21.4
  Top w0.25: R24.1 75.05,66.45 Pan3.3 76.36,67.67 83.92,67.67 R36.2
Net-(Pan4-Pad1): length 35.9
  Top w0.25: R25.2 75.16,49.17 78.92,49.17 Pan4.1 82.75,45.34 R37.1
Net-(Pan4-Pad3): length 37.8
  Top w0.25: R26.1 72.94,45.75 Pan4.3 78.87,44.22 102.63,44.22 R38.2
Net-(Pan5-Pad1): length 35.4
  Top w0.25: R27.2 71.58,33.25 76.34,33.25 Pan5.1 98.03,29.45 R39.1
Net-(Pan5-Pad3): length 38.3
  Top w0.25: R28.1 72.13,29.45 Pan5.3 76.36,28.23 100.06,28.23 R40.2
Net-(Pan6-Pad1): length 39
  Top w0.25: R29.2 79,23.17 79,12.09 Pan6.1 96.61,10.95 R41.1
Net-(Pan6-Pad3): length 38.7
  Top w0.25: R30.1 71.84,14.25 Pan6.3 76.36,9.73 98.64,9.73 R42.2
Net-(Q1-Pad2): length 22.7
  Top w0.25: R55.1 174.1,45.5 U5.1 ; Q2.2 Q1.2
  Bottom w0.25: Q2.2 169.09,37.5 174.05,42.47 U5.1
Net-(Q3-Pad2): length 34.2
  Top w0.25: Q4.2 Q3.2 ; U5.7 165.28,46.84 R56.1 161.33,45.17 161.33,42.33 160.29,41.29 160.29,35.38 161.67,34 v4(165,34)
  Bottom w0.25: Q4.2 167.5,31.5 v4(165,34)
Net-(Q5-Pad2): length 6.1
  Bottom w0.25: R59.2 95.94,76.29 93.65,74 Q5.2
Net-(Q5-Pad3): length 4.4
  Bottom w0.25: R60.2 93,72.44 Q5.3
Net-(Q6-Pad2): length 6.1
  Bottom w0.25: Q6.2 93.65,55.5 95.94,57.79 R61.2
Net-(Q6-Pad3): length 4.4
  Bottom w0.25: R62.2 93,53.94 Q6.3
Net-(Q7-Pad2): length 6.1
  Bottom w0.25: R63.2 95.94,113.29 93.65,111 Q7.2
Net-(Q7-Pad3): length 4.4
  Bottom w0.25: R65.2 93,109.44 Q7.3
Net-(Q8-Pad2): length 6.1
  Bottom w0.25: Q8.2 93.65,37 95.94,39.29 R64.2
Net-(Q8-Pad3): length 4.4
  Bottom w0.25: R66.2 93,35.44 Q8.3
Net-(Q9-Pad2): length 6.1
  Bottom w0.25: R67.2 95.94,20.79 93.65,18.5 Q9.2
Net-(Q9-Pad3): length 4.4
  Bottom w0.25: Q9.3 93,16.94 R69.2
Net-(Q10-Pad2): length 6.1
  Bottom w0.25: R68.2 95.94,94.79 93.65,92.5 Q10.2
Net-(Q10-Pad3): length 4.4
  Bottom w0.25: Q10.3 93,90.94 R70.2
Net-(R10-Pad1): length 20
  Top w0.25: U2.6 63.7,64.9 63.7,57.38 R10.1 R16.2
Net-(R11-Pad1): length 24.3
  Top w0.25: U3.2 61.16,23.37 61.16,31.58 R17.2 R11.1
Net-(R12-Pad1): length 24.3
  Top w0.25: R12.1 67.96,12.12 67.96,16.38 R18.2 65.75,17.5 63.7,19.55 63.7,28.15 U3.6
Net-(R13-Pad2): length 21.8
  Top w0.25: U1.2 60.86,97.32 60.86,104.61 66.75,110.5 R13.2 R7.1
Net-(R14-Pad2): length 19.9
  Top w0.25: R14.2 R8.1 63.7,94.63 63.7,102.4 U1.6
Net-(R15-Pad2): length 24.4
  Top w0.25: U2.2 60.86,59.82 60.86,68.11 61.25,68.5 61.25,69 R15.2 R9.1
Net-(R45-Pad2): length 28.1
  Top w0.25: U4.2 164.38,94.62 153.88,94.62 147.5,101 R47.2 R45.2
Net-(R46-Pad2): length 21.5
  Top w0.25: U4.6 156.76,99.4 156.76,102.74 R46.2 R48.2

## Copper pours and planes (outline as drawn; the poured copper is in the pictures)
GND on Top, Bottom: 184.5,9 144.5,9 144.5,119 184.5,119
GND on Top, Bottom: 135,79.5 101.5,79.5 101.5,62.5 135,62.5 135,25.5 118,25.5 118,9 0,9 0,119 135,119

## Text on the board
B.Silkscreen: JLCJLCJLCJLC
User.Drawings: 27Hp
F.Silkscreen: Output stereo mixer | V1.0 BleepSound 2022 | Board 1/2 | Board 2/2
